# Allegro board 8880F5-0823_1_maisha.brd (continued)
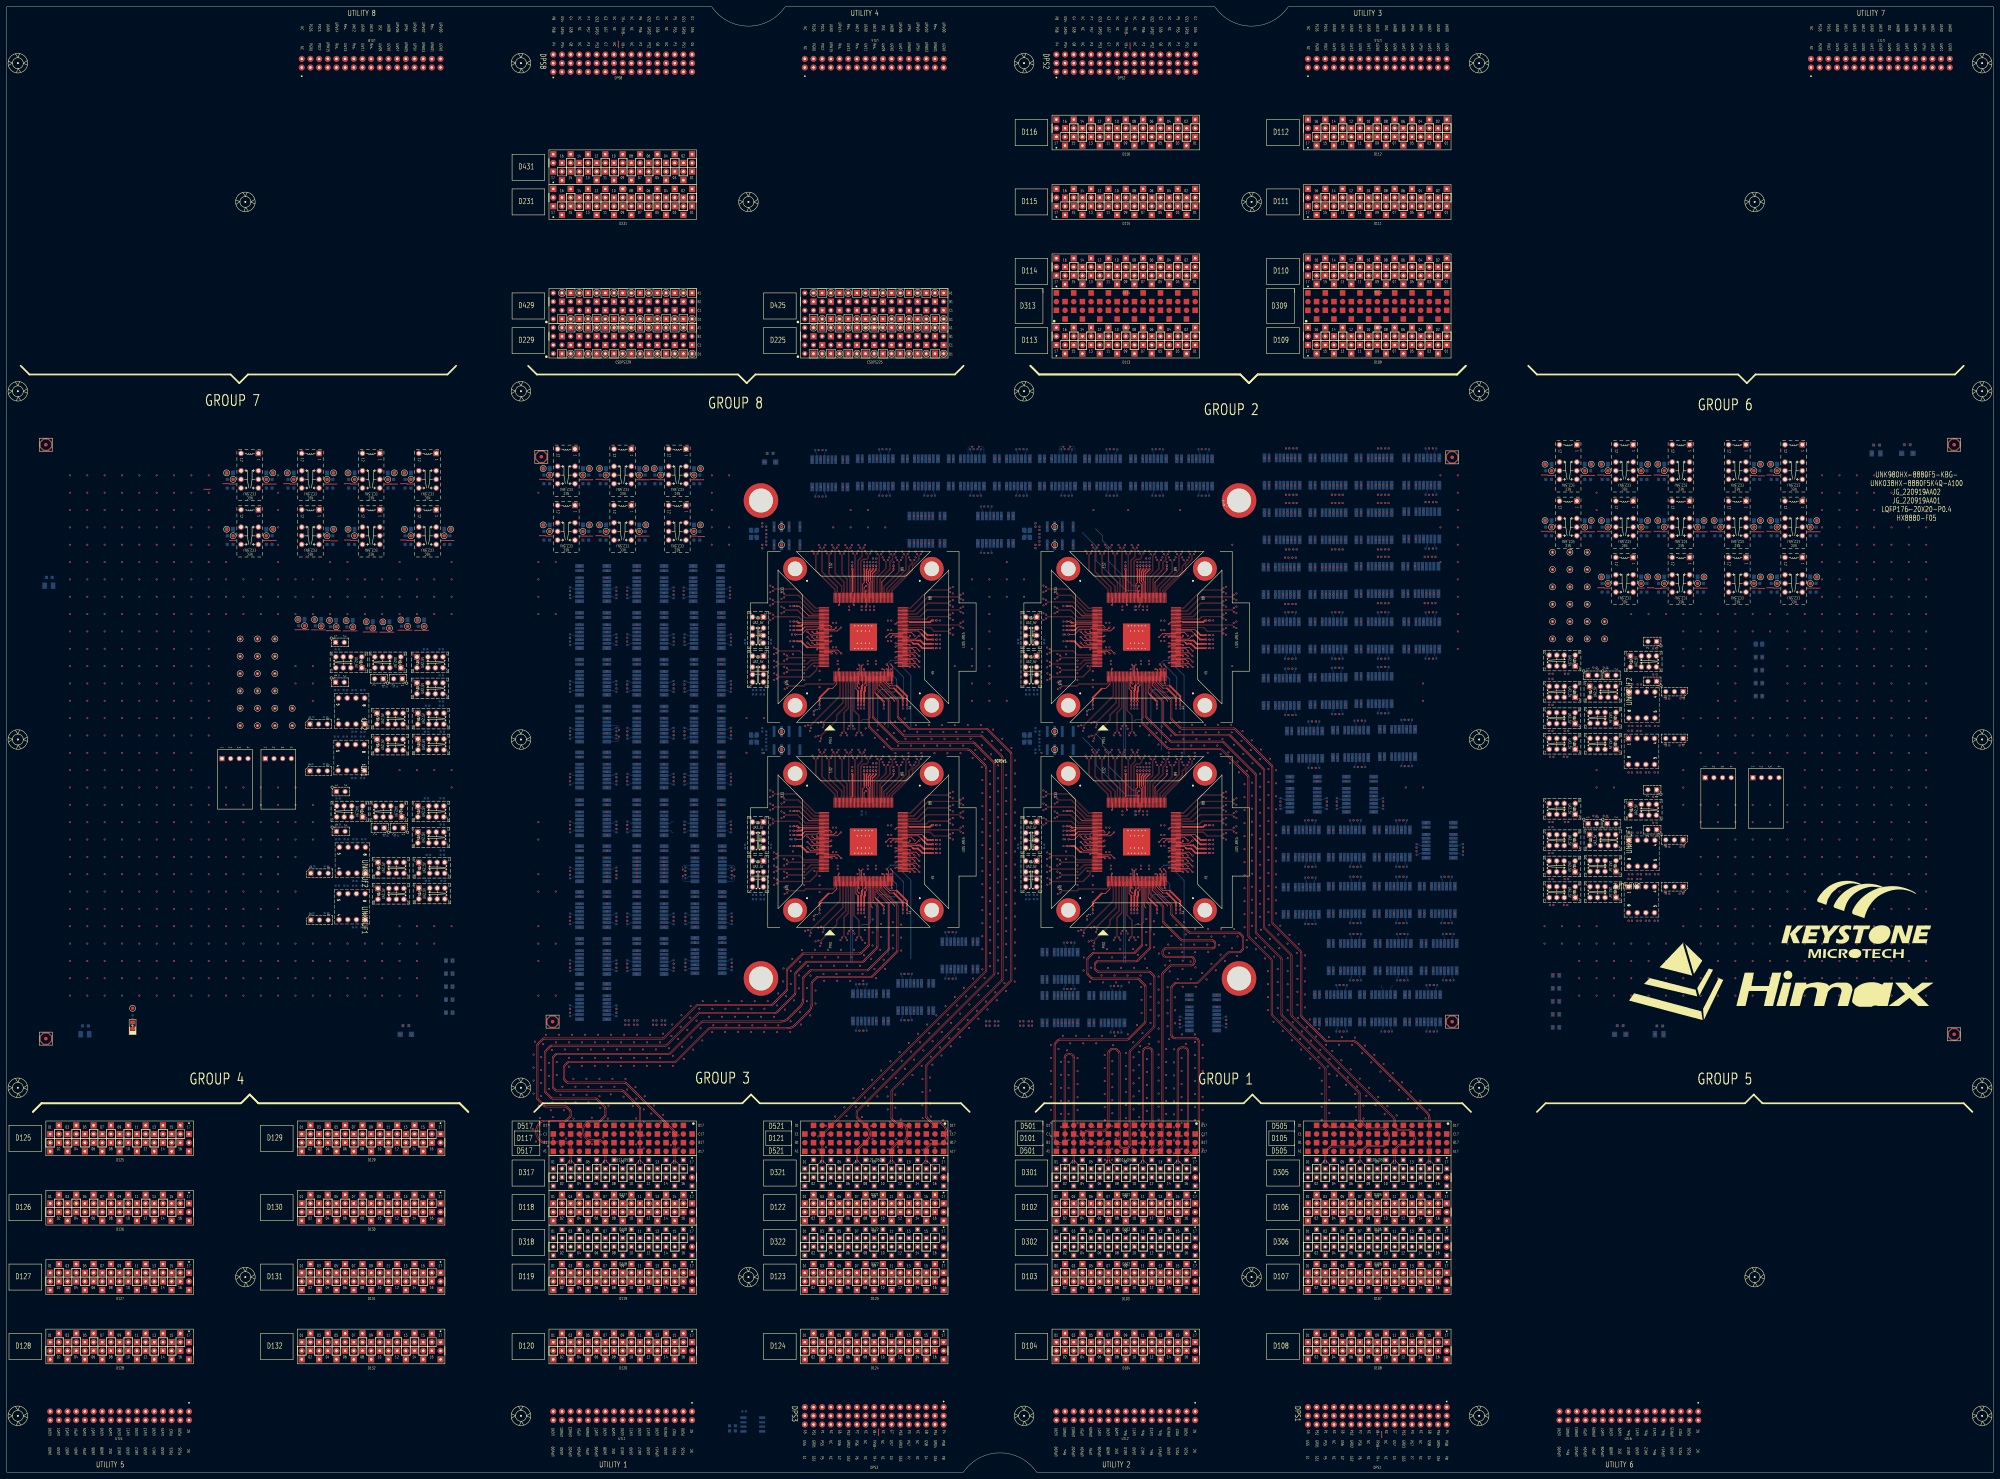
[diagram p0: board, top side]
## Routing (per net, layer and track width the routed paths; a pad name or vN(x,y) marks a point on that pad's centre or on a via; arc(x,y) is an arc through that point) (continued)
S3_4TX_100DCH001+: length 106.9
  TOP w0.086: SITE3.129 243.43,197.78 243.35,197.86 243.35,199.29 238.85,203.79 238.85,210.43 v1(239.3,210.88)
  L32_SIGNAL w0.071: v1(239.3,210.88) 238.83,211.35 238.83,212.18 238.15,212.86 225.85,212.86 214.65,201.66 171.78,201.66 169.03,198.91 169.03,191.45 166.7,189.12 165.38,189.12 v1(164.91,189.59)
S3_4TX_100DCH001-: length 106.6
  TOP w0.086: v1(238.16,210.88) 238.61,210.43 238.61,203.69 243.11,199.19 243.11,197.86 243.03,197.78 SITE3.130
  L32_SIGNAL w0.071: v1(164.91,188.45) 165.38,188.92 166.78,188.92 169.23,191.37 169.23,198.83 171.86,201.46 214.73,201.46 225.93,212.66 238.07,212.66 238.63,212.1 238.63,211.35 v1(238.16,210.88)
S3_4TX_100DCH002+: length 59.7
  TOP w0.086: SITE3.131 242.63,197.78 242.55,197.86 242.55,198.66 236.97,204.24 236.97,208.69 v1(237.43,209.15)
  L32_SIGNAL w0.071: v1(212.03,189.59) 211.55,189.12 211.03,189.12 210.09,190.06 210.09,192.23 214.37,196.51 224.09,196.51 226.56,198.99 235.95,198.99 236.95,199.99 236.95,208.68 v1(237.43,209.15)
S3_4TX_100DCH002-: length 60
  TOP w0.086: SITE3.132 242.23,197.78 242.31,197.86 242.31,198.56 236.73,204.14 236.73,208.71 v1(236.28,209.15)
  L32_SIGNAL w0.071: v1(236.28,209.15) 236.75,208.68 236.75,200.07 235.87,199.18 226.48,199.18 224,196.71 214.29,196.71 209.89,192.31 209.89,189.98 210.95,188.92 211.55,188.92 v1(212.03,188.45)
S3_4TX_100DCH003+: length 50.5
  TOP w0.086: v1(224.31,199.31) 224.75,198.87 231.22,198.87 236.94,193.15 237.6,193.15 237.68,193.23 SITE3.133
  L32_SIGNAL w0.071: v1(198.44,189.59) 198.91,189.12 200.29,189.12 202.81,191.64 202.81,196.17 205.48,198.84 223.83,198.84 v1(224.31,199.31)
S3_4TX_100DCH003-: length 50.6
  TOP w0.086: SITE3.134 237.68,192.83 237.6,192.91 236.84,192.91 231.12,198.63 224.77,198.63 v1(224.31,198.17)
  L32_SIGNAL w0.071: v1(224.31,198.17) 223.83,198.64 205.56,198.64 203.01,196.08 203.01,191.55 200.38,188.92 198.91,188.92 v1(198.44,188.45)
S3_4TX_100DCH004+: length 91.4
  TOP w0.086: v1(227.6,197.38) 228.04,196.95 231.86,196.95 236.46,192.35 237.6,192.35 237.68,192.43 SITE3.135
  L32_SIGNAL w0.071: v1(178.5,162.67) 178.97,162.2 179.98,162.2 183.28,165.49 218.38,165.49 223.22,170.34 223.22,183.12 225.28,185.17 225.28,195.71 226.48,196.91 227.13,196.91 v1(227.6,197.38)
S3_4TX_100DCH004-: length 91.4
  TOP w0.086: v1(227.6,196.24) 228.07,196.71 231.76,196.71 236.36,192.11 237.6,192.11 237.68,192.03 SITE3.136
  L32_SIGNAL w0.071: v1(178.5,161.52) 178.97,162 180.06,162 183.36,165.3 218.46,165.3 223.42,170.26 223.42,183.04 225.48,185.09 225.48,195.63 226.56,196.71 227.13,196.71 v1(227.6,196.24)
S3_4TX_100DCH005+: length 100.1
  TOP w0.086: SITE3.137 237.68,191.63 237.6,191.55 235.88,191.55 232.43,195.01 224.75,195.01 v1(224.31,195.45)
  L32_SIGNAL w0.071: v1(164.91,162.67) 165.38,162.2 166.77,162.2 171.92,167.34 171.92,170.43 173.15,171.66 211.81,171.66 216.38,176.23 216.38,190.31 221.05,194.98 223.83,194.98 v1(224.31,195.45)
S3_4TX_100DCH005-: length 100.1
  TOP w0.086: SITE3.138 237.68,191.23 237.6,191.31 235.78,191.31 232.33,194.77 224.76,194.77 v1(224.31,194.31)
  L32_SIGNAL w0.071: v1(224.31,194.31) 223.83,194.78 221.13,194.78 216.57,190.23 216.57,176.14 211.89,171.46 173.23,171.46 172.12,170.35 172.12,167.26 166.86,162 165.38,162 v1(164.91,161.52)
S3_4TX_100DCH006+: length 94.9
  TOP w0.086: SITE3.140 237.68,190.43 237.6,190.35 233.88,190.35 231.52,192.7 228.04,192.7 v1(227.6,193.14)
  L32_SIGNAL w0.071: v1(178.5,148.95) 178.97,148.48 180.14,148.48 181.68,150.03 183.23,150.03 183.83,149.43 192.43,149.43 197.31,154.31 211.64,154.31 226.13,168.8 226.13,192.18 226.62,192.67 227.13,192.67 v1(227.6,193.14)
S3_4TX_100DCH006-: length 94.9
  TOP w0.086: v1(227.6,192) 228.06,192.46 231.43,192.46 233.78,190.11 237.6,190.11 237.68,190.03 SITE3.141
  L32_SIGNAL w0.071: v1(227.6,192) 227.13,192.47 226.7,192.47 226.33,192.1 226.33,168.72 211.72,154.11 197.39,154.11 192.51,149.23 183.74,149.23 183.15,149.83 181.77,149.83 180.22,148.28 178.97,148.28 v1(178.5,147.81)
S3_4TX_100DCH007+: length 110.6
  TOP w0.086: v1(224.31,191.21) 224.76,190.76 231.83,190.76 233.04,189.55 237.6,189.55 237.68,189.63 SITE3.142
  L32_SIGNAL w0.071: v1(224.31,191.21) 223.83,190.74 223.24,190.74 220.2,187.7 220.2,170.6 217.11,167.51 180.67,167.51 176.77,163.62 176.77,150.74 175.28,149.25 167.53,149.25 166.77,148.48 165.38,148.48 v1(164.91,148.95)
S3_4TX_100DCH007-: length 110.6
  TOP w0.086: v1(224.31,190.07) 224.76,190.52 231.73,190.52 232.94,189.31 237.6,189.31 237.68,189.23 SITE3.143
  L32_SIGNAL w0.071: v1(164.91,147.81) 165.38,148.28 166.85,148.28 167.62,149.05 175.36,149.05 176.97,150.66 176.97,163.53 180.75,167.31 217.2,167.31 220.4,170.52 220.4,187.62 223.32,190.54 223.83,190.54 v1(224.31,190.07)
S3_AUX_100DCH002+:
  vias: v1(191.78,132.33)
S3_AUX_100DCH002-:
  vias: v1(189.24,132.33)
S3_AUXCH+: length 32.3
  TOP w0.203: SITE3.21 250.23,176.2 v2(250.6,176.57)
  BOTTOM w0.203: v2(250.6,176.57) 250.3,176.28 250.3,174.52 247.57,171.79 247.57,149.14
S3_AUXCH-: length 32.1
  TOP w0.203: SITE3.20 249.83,176.2 v2(249.46,176.57)
  BOTTOM w0.203: 247.03,149.37 247.03,172.02 249.76,174.75 249.76,176.28 v2(249.46,176.57)
S3_AVDD11_RX: length 8.4
  TOP w0.231: 254.67,167.85 254.23,168.29 SITE3.31
  TOP w0.508: v1(256.77,165.75) 254.67,167.85
  vias: v1(256.77,163.71)
S3_AVDD11_XTAL: length 8.8
  TOP w0.231: SITE3.105 253.03,200.95 252.87,201.11 252.87,201.45
  TOP w0.381: 252.87,201.45 252.87,203.59 253.72,204.45 v1(253.72,204.54)
  vias: v1(253.72,206.58)
S3_AVDD18_RX: length 7.7
  TOP w0.231: SITE3.25 251.83,170.56 251.28,170.01
  TOP w0.508: v1(251.06,165.75) 251.06,168.68 251.28,168.9 251.28,170.01
  vias: v1(251.06,163.71)
S3_DCH041: length 2.2
  TOP w0.231: v1(237.23,183.03) 237.43,182.83 SITE3.159
S3_DCH042: length 3.7
  TOP w0.231: SITE3.160 236.43,182.43 v1(235.83,183.03)
S3_DCH043: length 5.3
  TOP w0.231: v1(234.44,183.03) 235.44,182.03 SITE3.161
S3_DCH044: length 2.2
  TOP w0.231: SITE3.163 237.43,181.23 v1(237.23,181.03)
S3_DCH045: length 5.4
  TOP w0.231: v1(244.35,179.83) 243.35,180.83 SITE3.164
S3_DCH046: length 3.9
  TOP w0.231: v1(242.95,179.83) 242.35,180.43 SITE3.165
S3_DCH047: length 2.3
  TOP w0.231: SITE3.166 241.36,180.03 v1(241.56,179.83)
S3_DPS_F_001:
  vias: v1(190.24,131.06)
S3_DPS_F_002: length 10.1
  TOP w0.231: 240.65,169.55 241.72,169.55 243.03,170.86 SITE3.3
  TOP w0.508: v1(237.98,165.75) 237.98,166.88 240.65,169.55
  vias: v1(236.32,162.9) v1(237.98,163.71)
S3_DPS_F_003: length 63.1
  TOP w0.231: SITE3.63 264.9,183.23 265.2,182.93 ; SITE3.71 266.94,186.43 267.84,185.53 ; SITE3.37 256.63,171.59 258.57,169.66 259.73,169.66 ; 232.83,188.18 233.08,188.43 SITE3.145 ; 251.69,201.16 251.69,200.65 252.23,200.11 SITE3.107 ; 249.28,168.85 248.63,169.5 SITE3.17 ; 234.63,181.63 SITE3.162
  TOP w0.381: 251.69,201.16 251.69,204.28 v1(251.94,204.54)
  TOP w0.508: 232.83,188.18 232.58,187.93 v1(231.44,187.93) ; 259.73,169.66 262.36,167.02 v1(262.36,165.75) ; 234.63,181.63 234.37,181.63 232.59,183.41 v1(231.44,183.41) ; 265.2,182.93 265.45,182.68 266.8,182.68 268.11,181.37 v1(271.22,181.37) ; 267.84,185.53 269.46,183.91 v1(271.22,183.91) ; v1(249.28,165.75) 249.28,168.85
  vias: v1(229.4,187.93) v1(229.4,183.41) v1(249.28,163.71) v1(251.94,206.58) v1(262.36,163.71) v1(273.27,183.91) v1(273.27,181.37)
S3_DPS_F_006: length 9.6
  TOP w0.231: SITE3.72 267.92,186.83 268.55,186.19
  TOP w0.508: 268.55,186.19 269.56,185.18 v1(271.22,185.18)
  vias: v1(259,186.67) v1(273.27,185.18)
S3_DPS_F_007: length 19
  TOP w0.231: 264.37,189.01 264.15,189.23 SITE3.78 ; SITE3.97 256.23,200.71 259.65,204.13 v1(259.65,204.54)
  TOP w0.508: v1(271.22,189.5) 270.8,189.5 270.31,189.01 264.37,189.01
  vias: v1(259.65,206.58) v1(273.27,189.5)
S3_DPS_F_009: length 8.8
  TOP w0.231: SITE3.106 252.63,200.53 252.26,200.9 252.26,201.12
  TOP w0.381: v1(252.83,204.54) 252.83,204.39 252.26,203.82 252.26,201.12
  vias: v1(252.83,206.58) v1(253.61,207.66)
S3_DPS_F_010: length 8.6
  TOP w0.231: 251.05,201.13 251.05,200.57 250.63,200.15 SITE3.111
  TOP w0.381: 251.05,201.13 v1(251.05,204.54)
  vias: v1(251.05,206.58)
S3_DPS_F_011: length 17.6
  TOP w0.231: SITE3.139 234.87,190.83 232.01,193.69 v1(231.44,193.69) ; 247.64,198.01 247.43,197.79 SITE3.119
  TOP w0.508: 247.64,198.01 247.64,204.47 v1(247.57,204.54)
  vias: v1(229.4,193.69) v1(247.57,206.58)
S3_DPS_F_012: length 8
  TOP w0.231: 232.2,188.83 SITE3.144
  TOP w0.508: 232.2,188.83 231.81,188.83 v1(231.44,189.2)
  vias: v1(229.4,189.2)
S3_ISP00+: length 14.6
  TOP w0.086: v1(276.24,185.73) 275.81,186.16 271.56,186.16 270.41,187.31 264.06,187.31 263.98,187.23 SITE3.73
  vias: v1(184.47,178.86)
S3_ISP00-: length 14.6
  TOP w0.086: v1(276.24,186.87) 275.77,186.4 271.66,186.4 270.51,187.55 264.06,187.55 263.98,187.63 SITE3.74
  vias: v1(192.47,178.86)
S3_ISP14+: length 486.1
  TOP w0.086: SITE3.112 250.23,197.78 250.15,197.86 250.15,206.68 250.73,207.26 251.76,207.26 252.42,207.92 252.42,208.71 v1(252.86,209.15)
  L28_SIGNAL w0.071: v1(252.86,209.15) 252.39,208.68 252.39,207.97 251.93,207.51 235.72,207.51 232.36,210.88 225.71,210.88 223.87,209.04 215.84,209.04 214.98,208.18 111.66,208.18 106.23,202.75 106.23,166.13 109.7,162.66 161.93,162.66 163.82,160.77 184.44,160.77 189.24,165.57 196.32,165.57 197.96,167.21 205.44,167.21 211.73,160.92 214.06,160.92 215.08,161.94 215.08,165.89 211.8,169.17 132.01,169.17 129.97,171.21 129.97,175.84 133.17,179.03 179.47,179.03 182.98,175.52 182.98,173.56 183.99,172.55 188.16,172.55 188.68,173.07 188.68,174.22 188.45,174.46 v1(184.47,174.46)
S3_ISP14-: length 486.1
  TOP w0.086: SITE3.113 249.83,197.78 249.91,197.86 249.91,206.78 250.63,207.5 251.66,207.5 252.18,208.02 252.18,208.69 v1(251.72,209.15)
  L28_SIGNAL w0.071: v1(251.72,209.15) 252.19,208.68 252.19,208.05 251.85,207.71 235.81,207.71 232.44,211.08 225.63,211.08 223.79,209.24 215.76,209.24 214.9,208.38 111.58,208.38 106.03,202.83 106.03,166.05 109.61,162.47 161.84,162.47 163.74,160.57 184.52,160.57 189.33,165.37 196.4,165.37 198.04,167.02 205.35,167.02 211.65,160.72 214.14,160.72 215.28,161.86 215.28,165.97 211.88,169.37 132.09,169.37 130.17,171.29 130.17,175.76 133.25,178.84 179.39,178.84 182.78,175.44 182.78,173.48 183.91,172.35 188.24,172.35 188.88,172.99 188.88,174.21 189.13,174.46 v1(192.47,174.46)
S3_M_DPS_F_001: length 45.2
  TOP w0.231: SITE3.104 253.43,203.21 ; SITE3.39 257.43,171.49 258.54,170.37 260.57,170.37 ; SITE3.147 233.7,187.63 233.24,187.18 ; 266.49,183.63 SITE3.64 ; 250.63,170.54 SITE3.22
  TOP w0.381: 253.43,203.21 254.61,204.39 v1(254.61,204.54)
  TOP w0.508: 250.63,170.54 250.38,170.28 250.38,169.17 250.17,168.96 v1(250.17,165.75) ; v1(231.44,186.66) 232.72,186.66 233.24,187.18 ; 260.57,170.37 263.63,167.31 v1(263.63,165.75) ; v1(271.22,182.64) 268.48,182.64 267.49,183.63 266.49,183.63
  vias: v1(229.4,186.66) v1(250.17,163.71) v1(254.61,206.58) v1(263.63,163.71) v1(273.27,182.64)
S3_PS9G_DCH001: length 3.7
  TOP w0.231: v1(249.63,169.63) 249.03,170.23 SITE3.18
S3_PS9G_DCH002: length 2.2
  TOP w0.231: SITE3.19 249.43,171.23 v1(249.63,171.03)
S3_PS9G_DCH003: length 2.2
  TOP w0.231: v1(251.23,171.03) 251.43,171.23 SITE3.24
S3_PS9G_DCH004: length 2.2
  TOP w0.231: SITE3.40 257.83,175.03 v1(257.63,175.23)
S3_PS9G_DCH005: length 2.2
  TOP w0.231: SITE3.45 264.23,176.03 v1(264.43,175.83)
S3_PS9G_DCH006: length 3.7
  TOP w0.231: SITE3.46 265.23,176.43 v1(265.83,175.83)
S3_PS9G_DCH007: length 5.3
  TOP w0.231: v1(267.23,175.83) 266.22,176.83 SITE3.47
S3_PS9G_DCH009: length 2.2
  TOP w0.231: v1(264.43,177.43) 264.23,177.63 SITE3.49
S3_PS9G_DCH010: length 3.7
  TOP w0.231: v1(265.83,177.43) 265.23,178.03 SITE3.50
S3_PS9G_DCH011: length 5.3
  TOP w0.231: v1(267.23,177.43) 266.22,178.43 SITE3.51
S3_PS9G_DCH014: length 3.7
  TOP w0.231: v1(265.83,179.03) 265.23,179.63 SITE3.54
S3_PS9G_DCH015: length 5.3
  TOP w0.231: v1(267.23,179.03) 266.22,180.03 SITE3.55
S3_PS9G_DCH022: length 5.3
  TOP w0.231: v1(267.23,185.03) 267.05,185.03 266.05,184.03 SITE3.65
S3_PS9G_DCH023: length 2.5
  TOP w0.231: SITE3.66 264.03,184.43 264.43,184.83 v1(264.43,185.03)
S3_PS9G_DCH027: length 3.9
  TOP w0.231: v1(265.83,185.03) 264.83,186.03 SITE3.70
S3_PS9G_DCH028: length 2.3
  TOP w0.231: v1(260.23,188.46) 260.6,188.83 SITE3.77
S3_PS9G_DCH030: length 9.2
  TOP w0.231: v1(230.91,185.39) 232.63,185.39 234.16,186.91 237.3,186.91 237.62,187.23 SITE3.148
S3_PS9G_DCH035: length 5.3
  TOP w0.231: v1(234.44,186.23) 235.44,185.23 SITE3.153
S3_PS9G_DCH036: length 2.2
  TOP w0.231: SITE3.154 241.23,184.83 v1(241.43,185.03)
S3_PS9G_DCH037: length 2.2
  TOP w0.231: v1(237.23,184.63) 237.43,184.43 SITE3.155
S3_PS9G_DCH038: length 3.7
  TOP w0.231: SITE3.156 236.43,184.03 v1(235.83,184.63)
S3_PS9G_DCH039: length 5.3
  TOP w0.231: v1(234.44,184.63) 235.44,183.63 SITE3.157
S3_PS9G_DCH040: length 2.2
  TOP w0.231: v1(241.43,183.43) 241.23,183.23 SITE3.158
S3_RLY_001:
  vias: v1(256.73,140.14) v1(282.9,155.38)
S3_RLY_003:
  vias: v1(167.7,182.06) v1(269.94,143.19)
S3_RLY_005:
  vias: v1(184.47,222.95) v1(201.23,222.95)
S3_RLY_007:
  vias: v1(184.47,209.49)
S3_RLY_008:
  vias: v1(167.7,209.49) v1(184.47,195.52)
S3_RLY_016:
  vias: v1(167.7,195.52) v1(201.23,209.49)
S3_RLY_021:
  vias: v1(167.7,168.6) v1(201.23,195.52)
S3_RLY_022:
  vias: v1(184.47,154.88) v1(201.49,155.13)
S3_RLY_023:
  vias: v1(167.7,141.67)
S3_RLY_025:
  vias: v1(201.49,182.06) v1(201.49,168.6)
S3_RLY_026:
  vias: v1(184.47,168.6)
S3_RLY_030:
  vias: v1(167.7,154.88)
S3_RLY_043:
  vias: v1(184.47,182.06)
S3_SCAN_DCH008: length 2.2
  TOP w0.231: v1(260.23,177.03) 260.43,177.23 SITE3.48
S3_SCAN_DCH012: length 2.2
  TOP w0.231: v1(260.23,178.63) 260.43,178.83 SITE3.52
S3_SCAN_DCH013: length 2.2
  TOP w0.231: SITE3.53 264.23,179.23 v1(264.43,179.03)
S3_SCAN_DCH016: length 2.2
  TOP w0.231: v1(260.23,180.23) 260.43,180.43 SITE3.56
S3_SCAN_DCH017: length 2.2
  TOP w0.231: SITE3.57 264.23,180.83 v1(264.43,180.63)
S3_SCAN_DCH018: length 3.7
  TOP w0.231: SITE3.58 265.23,181.23 v1(265.83,180.63)
S3_SCAN_DCH019: length 5.3
  TOP w0.231: SITE3.59 266.22,181.63 v1(267.23,180.63)
S3_SCAN_DCH020: length 2.2
  TOP w0.231: SITE3.60 260.43,182.03 v1(260.23,181.83)
S3_SCAN_DCH021: length 2.2
  TOP w0.231: v1(264.43,182.23) 264.23,182.43 SITE3.61
S3_SCAN_DCH024: length 2.2
  TOP w0.231: v1(260.23,184.63) 260.43,184.83 SITE3.67
S3_SCAN_DCH025: length 3.7
  TOP w0.231: v1(258.83,184.63) 259.43,185.23 SITE3.68
S3_SCAN_DCH026: length 5.3
  TOP w0.231: v1(257.44,184.63) 258.44,185.63 SITE3.69
S3_SCAN_DCH031: length 3.7
  TOP w0.231: SITE3.149 242.23,186.83 v1(242.83,187.43)
S3_SCAN_DCH032: length 5.3
  TOP w0.231: v1(244.22,187.43) 243.22,186.43 SITE3.150
S3_SCAN_DCH033: length 2.2
  TOP w0.231: v1(237.23,186.23) 237.43,186.03 SITE3.151
S3_SCAN_DCH034: length 3.7
  TOP w0.231: v1(235.83,186.23) 236.43,185.63 SITE3.152
S3_SPI_CSN: length 25.9
  TOP w0.231: SITE3.43 259.03,171.23 v1(259.23,171.03)
  BOTTOM w0.231: 250.11,159.95 250.61,160.44 252.25,160.44 252.91,161.11 252.91,173.59 253.58,174.25 255.17,174.25 258.4,171.03 v1(259.23,171.03)
S3_SPI_SCK: length 25.3
  TOP w0.231: SITE3.42 258.63,175.03 v1(258.83,175.23)
  BOTTOM w0.231: 255.03,158.48 255.03,168.39 255.92,169.27 257.17,169.27 257.9,168.54 259.96,168.54 260.53,169.11 260.53,172.28 258.83,173.98 v1(258.83,175.23)
S3_SPI_SDI: length 34.1
  TOP w0.231: v1(258.83,176.63) 259.43,176.03 SITE3.44
  BOTTOM w0.231: v1(258.83,176.63) 262.6,172.86 262.6,167.63 262.04,167.06 258.85,167.06 258.07,166.28 258.07,151.53
S3_SPI_SDO: length 37
  TOP w0.231: v1(257.63,176.63) 258.23,176.03 SITE3.41
  BOTTOM w0.231: 264.72,150.32 264.72,173.4 262.29,175.83 262.29,177.04 261.5,177.83 258.83,177.83 v1(257.63,176.63)
S3_XTAL_OUT: length 3.7
  TOP w0.231: SITE3.110 251.03,199.03 v1(251.63,199.63)
S4_1TX_100DCH001+: length 205.1
  L30_SIGNAL w0.071: v1(310.01,131.64) 310.01,135.13 309.6,135.54 300.73,135.54 300.04,136.22 300.04,139.65 303.19,142.79 313.69,142.79 317.71,146.81 339.16,146.81 340.59,148.24 344.46,148.24 350.43,142.28 350.43,140.07 353.41,137.09 355.95,137.09 357.01,138.14 388.53,138.14 401.59,125.08 416.34,125.08 426.91,135.65 426.91,167.62 421.5,173.04 421.5,173.96 v1(421.02,174.43)
S4_1TX_100DCH001-: length 204.8
  L30_SIGNAL w0.071: v1(422.17,174.43) 421.7,173.96 421.7,173.12 427.11,167.7 427.11,135.57 416.43,124.88 401.51,124.88 388.45,137.94 357.09,137.94 356.03,136.89 353.33,136.89 350.23,139.99 350.23,142.2 344.38,148.05 340.67,148.05 339.24,146.61 317.79,146.61 313.77,142.6 303.27,142.6 300.24,139.56 300.24,136.3 300.81,135.74 309.59,135.74 310.01,136.15 v1(310.01,139.64)
S4_1TX_100DCH002+: length 108.9
  TOP w0.086: SITE4.75 343.98,188.03 344.06,188.11 358.84,188.11 v1(359.29,187.66)
  L30_SIGNAL w0.071: v1(359.29,187.66) 359.76,188.13 361.53,188.13 367.79,181.87 397.46,181.87 399.36,179.96 399.36,162.67 405.77,156.26 414.98,156.26 418.3,159.59 418.3,162.16 418.82,162.68 421.07,162.68 421.5,162.24 421.5,161.32 v1(421.02,160.85)
S4_1TX_100DCH002-: length 109.2
  TOP w0.086: SITE4.76 343.98,188.43 344.06,188.35 358.84,188.35 v1(359.29,188.8)
  L30_SIGNAL w0.071: v1(422.17,160.85) 421.7,161.31 421.7,162.32 421.15,162.87 418.74,162.87 418.11,162.24 418.11,159.67 414.9,156.46 405.86,156.46 399.56,162.76 399.56,180.05 397.54,182.06 367.87,182.06 361.61,188.33 359.76,188.33 v1(359.29,188.8)
S4_1TX_100DCH003+: length 92.2
  TOP w0.086: SITE4.79 343.98,189.63 344.06,189.71 349.2,189.71 350.02,190.53 355.8,190.53 v1(356.24,190.09)
  L30_SIGNAL w0.071: v1(356.24,190.09) 356.72,190.56 360.96,190.56 364.01,187.51 367.44,187.51 370.8,184.16 400.14,184.16 403.03,181.26 403.03,163.46 406.43,160.06 407.87,160.06 408.54,159.38 408.54,158.14 v1(408.07,157.67)
S4_1TX_100DCH003-: length 92.6
  TOP w0.086: SITE4.80 343.98,190.03 344.06,189.95 349.1,189.95 349.92,190.77 355.78,190.77 v1(356.24,191.23)
  L30_SIGNAL w0.071: v1(409.21,157.67) 408.74,158.14 408.74,159.46 407.95,160.25 406.51,160.25 403.23,163.54 403.23,181.35 400.22,184.35 370.88,184.35 367.52,187.71 364.09,187.71 361.04,190.76 356.72,190.76 v1(356.24,191.23)
S4_1TX_100DCH004+: length 139.3
  TOP w0.086: v1(359.29,192.02) 358.8,192.51 349.46,192.51 347.46,190.51 344.06,190.51 343.98,190.43 SITE4.81
  L30_SIGNAL w0.071: v1(359.29,192.02) 359.76,192.49 366.48,192.49 373.31,185.66 406.99,185.66 411.46,181.18 411.46,171.91 414.42,168.95 422.08,168.95 425.63,165.4 425.63,154.24 423.35,151.96 408.78,151.96 407.35,150.53 407.35,146.59 408.54,145.4 408.54,144.55 v1(408.07,144.08)
S4_1TX_100DCH004-: length 139.6
  TOP w0.086: v1(359.29,193.16) 358.88,192.75 349.36,192.75 347.37,190.75 344.06,190.75 343.98,190.83 SITE4.82
  L30_SIGNAL w0.071: v1(359.29,193.16) 359.76,192.69 366.56,192.69 373.39,185.85 407.07,185.85 411.66,181.26 411.66,171.99 414.5,169.15 422.16,169.15 425.82,165.48 425.82,154.16 423.43,151.76 408.86,151.76 407.55,150.45 407.55,146.67 408.74,145.48 408.74,144.55 v1(409.21,144.08)
S4_1TX_100DCH005+: length 279.3
  TOP w0.086: SITE4.83 343.98,191.23 344.06,191.31 346.53,191.31 349.61,194.39 355.8,194.39 v1(356.24,193.95)
  L30_SIGNAL w0.071: v1(324.25,142.43) 324.72,141.96 324.72,140.98 325.53,140.17 328.46,140.17 331.92,143.64 344.44,143.64 347.85,140.23 347.85,130.22 352.85,125.22 384.09,125.22 385.18,124.13 396.88,124.13 397.94,123.07 416.57,123.07 428.52,135.03 428.52,189.59 426.43,191.68 412.67,191.68 410.09,189.1 379.69,189.1 377.34,191.45 370.55,191.45 366.32,195.68 362.8,195.68 361.81,194.69 359.32,194.69 357.4,196.62 355.4,196.62 354.77,195.98 354.77,194.95 355.29,194.42 355.77,194.42 v1(356.24,193.95)
S4_1TX_100DCH005-: length 277.7
  TOP w0.086: v1(356.24,195.09) 355.78,194.63 349.51,194.63 346.43,191.55 344.06,191.55 343.98,191.63 SITE4.84
  L30_SIGNAL w0.071: v1(356.24,195.09) 355.77,194.62 355.38,194.62 354.97,195.03 354.97,195.9 355.48,196.42 357.31,196.42 359.24,194.49 361.9,194.49 362.88,195.48 366.24,195.48 370.47,191.25 377.26,191.25 379.61,188.9 410.17,188.9 412.75,191.49 426.35,191.49 428.32,189.51 428.32,135.11 416.49,123.27 398.02,123.27 396.96,124.33 385.27,124.33 384.17,125.42 352.93,125.42 348.05,130.31 348.05,140.31 344.52,143.84 331.84,143.84 328.37,140.37 325.61,140.37 324.92,141.06 324.92,141.96 v1(325.39,142.43)
S4_1TX_100DCH006+: length 269.7
  TOP w0.086: SITE4.85 343.98,192.03 344.06,192.11 345.58,192.11 349.82,196.36 358.81,196.36 v1(359.29,195.88)
  L30_SIGNAL w0.071: v1(359.29,195.88) 359.76,196.35 366.37,196.35 370.78,191.95 377.66,191.95 380.1,189.5 409.24,189.5 412.66,192.93 427.07,192.93 429.44,190.56 429.44,132.56 415.6,118.72 395.8,118.72 394.81,119.71 343.71,119.71 342.01,121.42 337.17,121.42 327.71,130.88 325.59,130.88 324.72,130.02 324.72,129.31 v1(324.25,128.84)
S4_1TX_100DCH006-: length 270
  TOP w0.086: v1(359.29,197.02) 358.87,196.6 349.73,196.6 345.48,192.35 344.06,192.35 343.98,192.43 SITE4.86
  L30_SIGNAL w0.071: v1(359.29,197.02) 359.76,196.55 366.46,196.55 370.86,192.15 377.74,192.15 380.19,189.7 409.15,189.7 412.58,193.13 427.15,193.13 429.64,190.64 429.64,132.48 415.68,118.53 395.72,118.53 394.73,119.51 343.63,119.51 341.92,121.22 337.09,121.22 327.63,130.68 325.67,130.68 324.92,129.94 324.92,129.31 v1(325.39,128.84)
S4_1TX_100DCH007+: length 109.3
  TOP w0.086: v1(356.24,197.81) 355.83,198.23 349.88,198.23 344.57,192.91 344.06,192.91 343.98,192.83 SITE4.87
  L30_SIGNAL w0.071: v1(356.24,197.81) 356.72,198.28 362.95,198.28 363.85,199.18 376.1,199.18 379.88,195.39 379.88,190.79 380.51,190.16 386.08,190.16 388.83,192.9 388.83,206.13 387.14,207.82 387.14,209.63 389.74,212.23 403.31,212.23 406.57,215.5 406.57,222.52 407.28,223.23 408.72,223.23 409.81,222.14 409.81,220.88 v1(409.34,220.41)
S4_1TX_100DCH007-: length 109.6
  TOP w0.086: v1(356.24,198.95) 355.76,198.47 349.78,198.47 344.47,193.15 344.06,193.15 343.98,193.23 SITE4.88
  L30_SIGNAL w0.071: v1(356.24,198.95) 356.72,198.48 362.87,198.48 363.77,199.37 376.18,199.37 380.08,195.48 380.08,190.87 380.59,190.36 386,190.36 388.63,192.99 388.63,206.05 386.94,207.74 386.94,209.71 389.66,212.43 403.23,212.43 406.38,215.58 406.38,222.61 407.2,223.43 408.8,223.43 410.01,222.22 410.01,220.88 v1(410.48,220.41)
S4_2AUX+:
  vias: v1(300.22,132.08) v1(300.22,130.81)
S4_2AUX-:
  vias: v1(296.68,130.81) v1(297.68,132.08)
S4_2TX_100DCH001+: length 85.5
  TOP w0.086: v1(347.64,208.93) 347.21,208.5 347.21,207.41 345.32,205.52 345.32,204.13 339.35,198.16 339.35,197.86 339.43,197.78 SITE4.89
  L32_SIGNAL w0.071: v1(409.34,206.82) 409.81,207.29 409.81,208.53 405.73,212.61 364.3,212.61 363.28,211.59 347.69,211.59 347.17,211.08 347.17,209.4 v1(347.64,208.93)
S4_2TX_100DCH001-: length 86.2
  TOP w0.086: v1(346.5,208.93) 346.97,208.46 346.97,207.51 345.08,205.62 345.08,204.23 339.11,198.26 339.11,197.86 339.03,197.78 SITE4.90
  L32_SIGNAL w0.071: v1(410.48,206.82) 410.01,207.29 410.01,208.61 405.81,212.81 364.22,212.81 363.2,211.79 347.61,211.79 346.97,211.16 346.97,209.4 v1(346.5,208.93)
S4_2TX_100DCH002+: length 156
  TOP w0.086: SITE4.91 338.63,197.78 338.55,197.86 338.55,198.23 344.35,204.04 344.35,205.37 345.28,206.31 345.28,206.78 v1(345.72,207.21)
  L32_SIGNAL w0.071: v1(421.53,157.67) 422,157.2 422,155.99 424.45,153.55 426.35,153.55 427.29,154.49 427.29,192.87 420.47,199.7 360.61,199.7 357.38,196.47 349.01,196.47 345.24,200.23 345.24,206.74 v1(345.72,207.21)
S4_2TX_100DCH002-: length 155.3
  TOP w0.086: v1(344.57,207.21) 345.04,206.74 345.04,206.4 344.11,205.47 344.11,204.13 338.31,198.33 338.31,197.86 338.23,197.78 SITE4.92
  L32_SIGNAL w0.071: v1(422.68,157.67) 422.2,157.2 422.2,156.07 424.53,153.74 426.27,153.74 427.09,154.57 427.09,192.79 420.38,199.5 360.69,199.5 357.46,196.27 348.93,196.27 345.04,200.15 345.04,206.74 v1(344.57,207.21)
S4_2TX_100DCH003+: length 170.6
  TOP w0.086: v1(343.79,208.93) 343.34,208.49 343.34,204.27 337.75,198.68 337.75,197.86 337.83,197.78 SITE4.93
  L32_SIGNAL w0.071: v1(343.79,208.93) 343.31,209.4 343.31,211.69 347.22,215.59 369.91,215.59 371.28,214.22 415.42,214.22 427.98,201.66 427.98,151.53 422.01,145.55 422.01,144.56 v1(421.53,144.08)
S4_2TX_100DCH003-: length 171.3
  TOP w0.086: SITE4.94 337.43,197.78 337.51,197.86 337.51,198.78 343.1,204.37 343.1,208.47 v1(342.64,208.93)
  L32_SIGNAL w0.071: v1(342.64,208.93) 343.12,209.4 343.12,211.77 347.14,215.79 369.99,215.79 371.37,214.42 415.51,214.42 428.18,201.75 428.18,151.44 422.21,145.47 422.21,144.55 v1(422.68,144.08)
S4_2TX_100DCH004+: length 223.6
  TOP w0.086: SITE4.95 337.03,197.78 336.95,197.86 336.95,199.28 341.41,203.74 341.41,206.77 v1(341.86,207.21)
  L32_SIGNAL w0.071: v1(341.86,207.21) 341.38,207.69 341.38,213.27 345.79,217.68 372.38,217.68 374.24,215.82 417.29,215.82 430.69,202.43 430.69,148.86 424.94,143.11 420.96,143.11 419.04,145.03 419.04,155.07 417.43,156.68 403.74,156.68 400.33,160.09 395.84,160.09 394.83,159.08 394.83,158.14 v1(394.35,157.67)
S4_2TX_100DCH004-: length 224.3
  TOP w0.086: v1(340.71,207.21) 341.17,206.75 341.17,203.84 336.71,199.38 336.71,197.86 336.63,197.78 SITE4.96
  L32_SIGNAL w0.071: v1(340.71,207.21) 341.19,207.69 341.19,213.36 345.71,217.88 372.46,217.88 374.32,216.02 417.37,216.02 430.88,202.51 430.88,148.78 425.02,142.91 420.87,142.91 418.84,144.95 418.84,154.99 417.35,156.48 403.66,156.48 400.25,159.9 395.92,159.9 395.02,159 395.02,158.14 v1(395.5,157.67)